# Allegro board SDHCalFEB20180110.brd (continued)
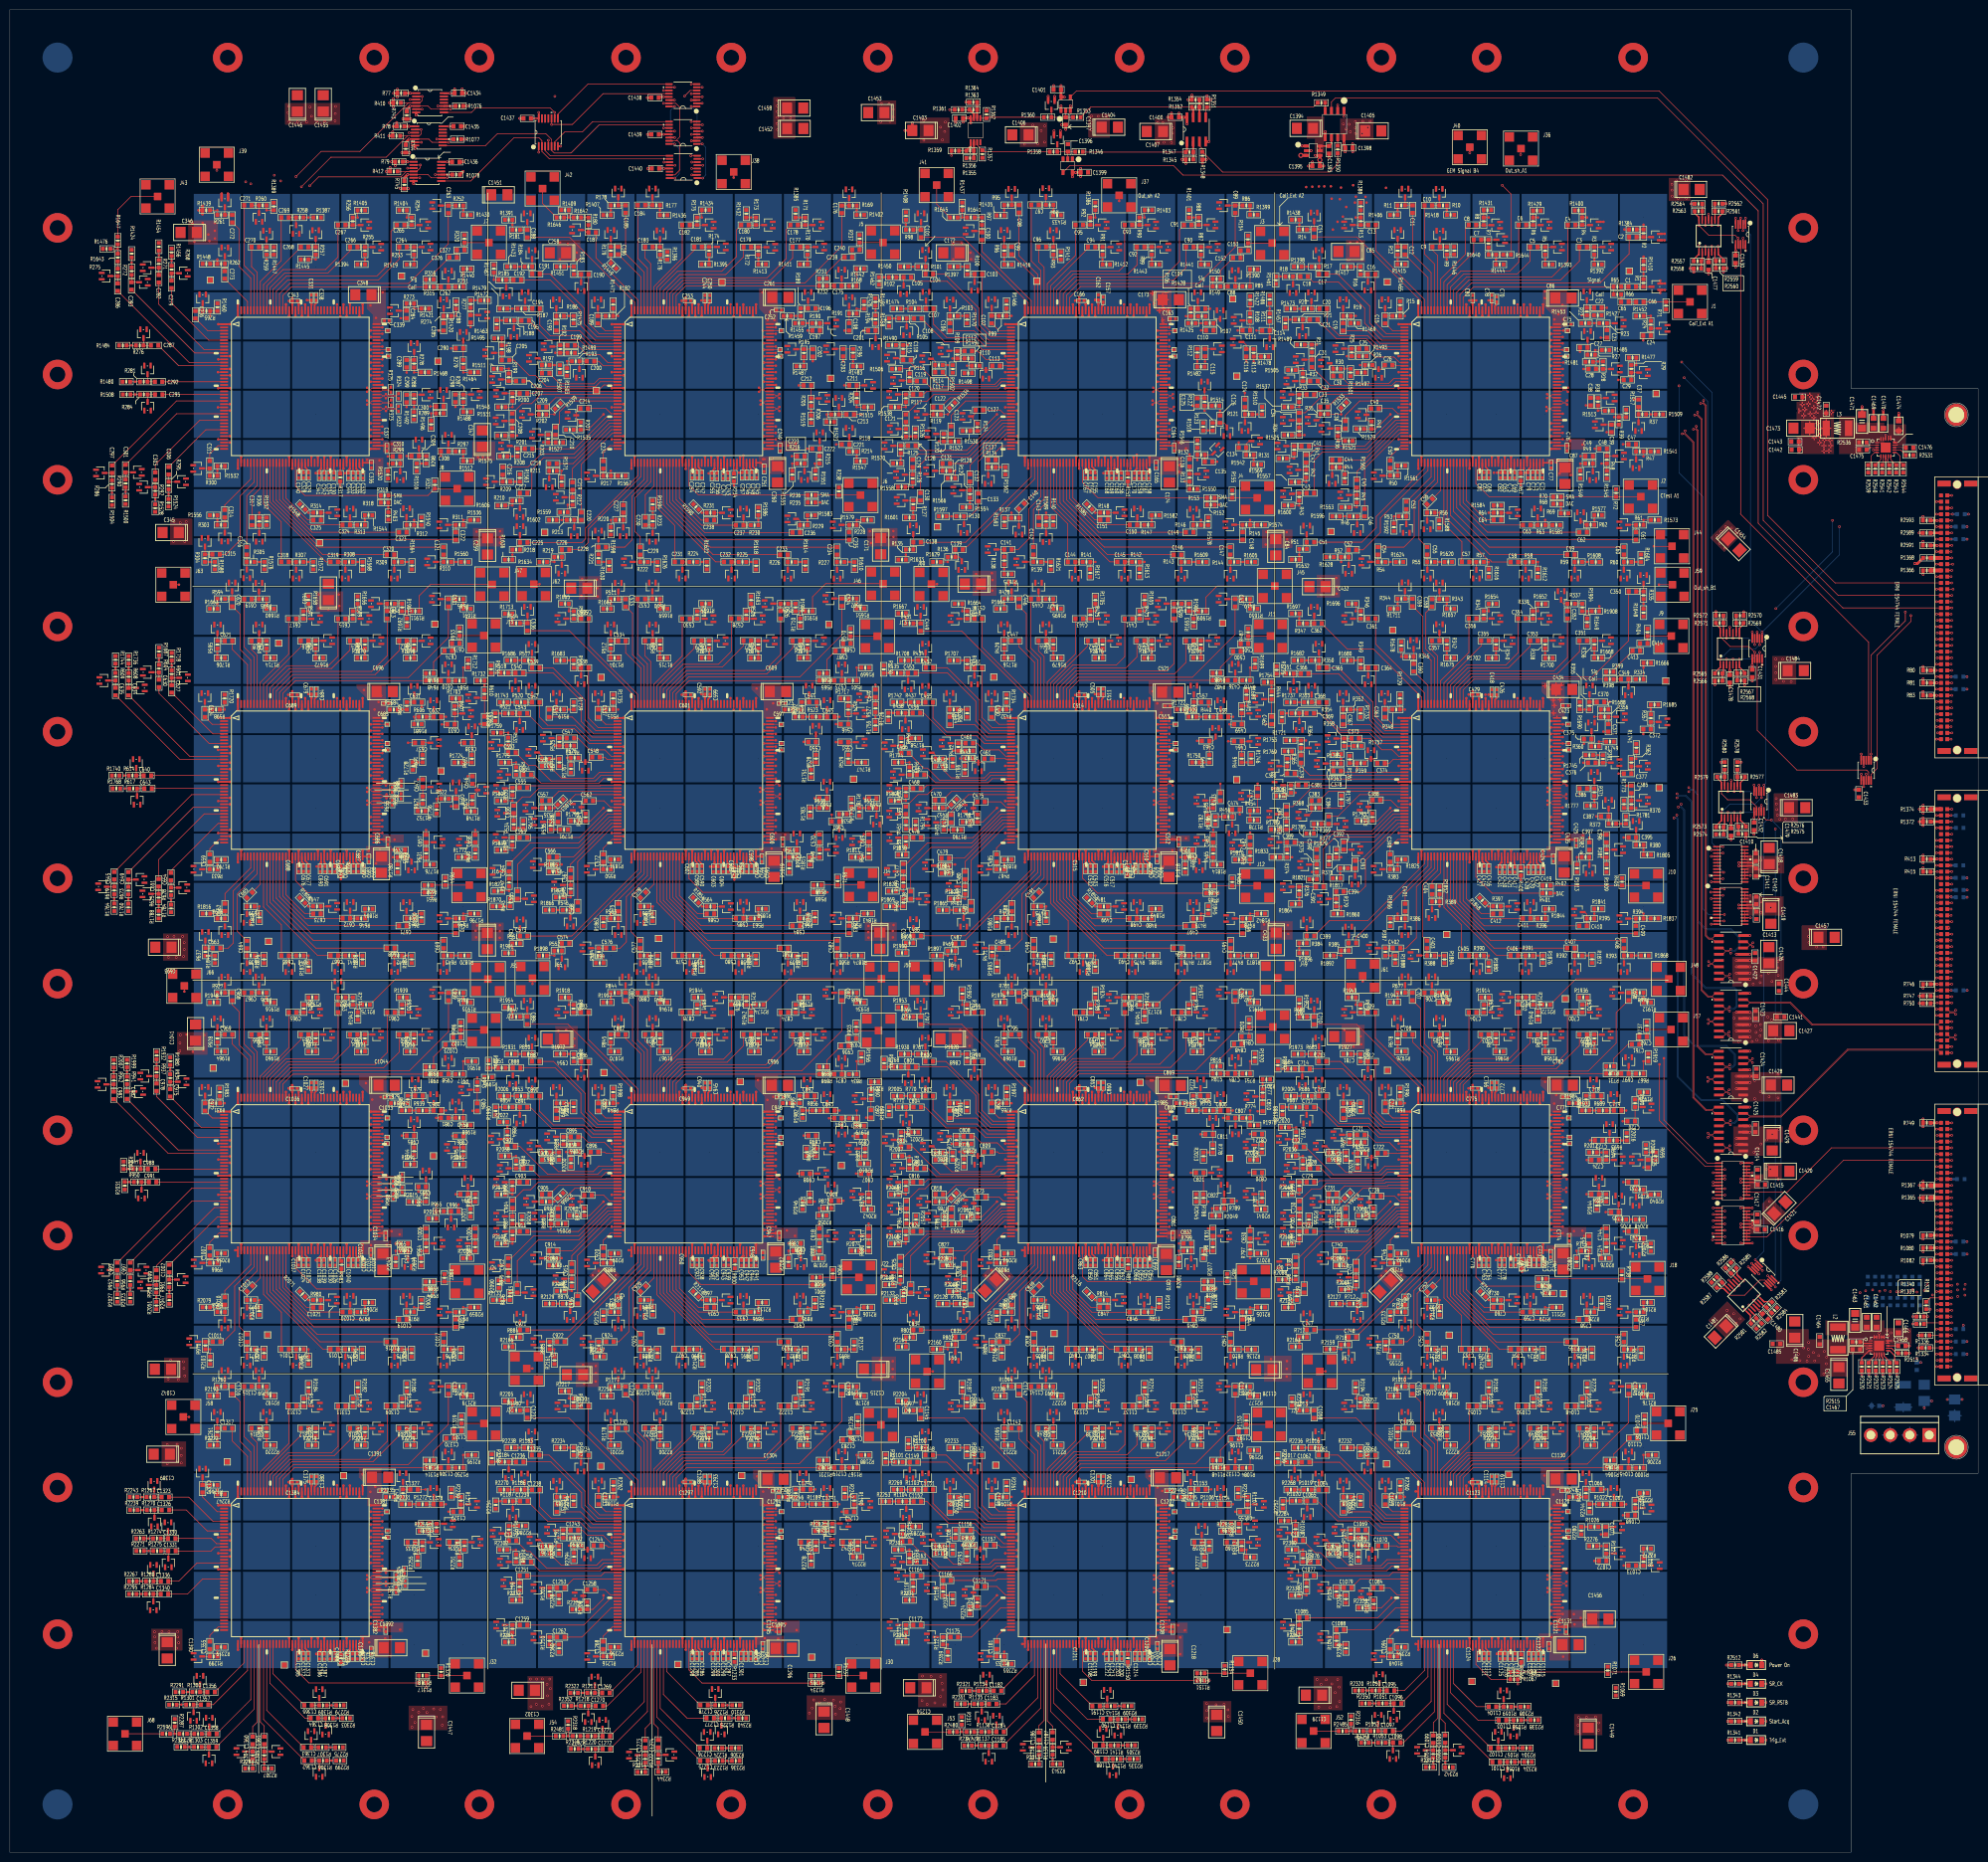
[diagram p0: board, top side]
## Nets (continued)
ANALOGIN5_ASIC_C3: C875.2 U715.150(IN<4>)
ANALOGIN5_ASIC_C4: C962.2 U780.150(IN<4>)
ANALOGIN5_ASIC_D1: C1049.2 U845.150(IN<4>)
ANALOGIN5_ASIC_D2: C1136.2 U910.150(IN<4>)
ANALOGIN5_ASIC_D3: C1223.2 U975.150(IN<4>)
ANALOGIN5_ASIC_D4: C1310.2 U1040.150(IN<4>)
ANALOGIN6_ASIC_A1: C6.2 U65.151(IN<5>)
ANALOGIN6_ASIC_A2: C93.2 U130.151(IN<5>)
ANALOGIN6_ASIC_A3: C180.2 U195.151(IN<5>)
ANALOGIN6_ASIC_A4: C267.2 U260.151(IN<5>)
ANALOGIN6_ASIC_B1: C354.2 U325.151(IN<5>)
ANALOGIN6_ASIC_B5: C441.2 U390.151(IN<5>)
ANALOGIN6_ASIC_B6: C528.2 U455.151(IN<5>)
ANALOGIN6_ASIC_B7: C615.2 U520.151(IN<5>)
ANALOGIN6_ASIC_C1: C702.2 U585.151(IN<5>)
ANALOGIN6_ASIC_C2: C789.2 U650.151(IN<5>)
ANALOGIN6_ASIC_C3: C876.2 U715.151(IN<5>)
ANALOGIN6_ASIC_C4: C963.2 U780.151(IN<5>)
ANALOGIN6_ASIC_D1: C1050.2 U845.151(IN<5>)
ANALOGIN6_ASIC_D2: C1137.2 U910.151(IN<5>)
ANALOGIN6_ASIC_D3: C1224.2 U975.151(IN<5>)
ANALOGIN6_ASIC_D4: C1311.2 U1040.151(IN<5>)
ANALOGIN7_ASIC_A1: C7.2 U65.152(IN<6>)
ANALOGIN7_ASIC_A2: C94.2 U130.152(IN<6>)
ANALOGIN7_ASIC_A3: C181.2 U195.152(IN<6>)
ANALOGIN7_ASIC_A4: C268.2 U260.152(IN<6>)
ANALOGIN7_ASIC_B1: C355.2 U325.152(IN<6>)
ANALOGIN7_ASIC_B5: C442.2 U390.152(IN<6>)
ANALOGIN7_ASIC_B6: C529.2 U455.152(IN<6>)
ANALOGIN7_ASIC_B7: C616.2 U520.152(IN<6>)
ANALOGIN7_ASIC_C1: C703.2 U585.152(IN<6>)
ANALOGIN7_ASIC_C2: C790.2 U650.152(IN<6>)
ANALOGIN7_ASIC_C3: C877.2 U715.152(IN<6>)
ANALOGIN7_ASIC_C4: C964.2 U780.152(IN<6>)
ANALOGIN7_ASIC_D1: C1051.2 U845.152(IN<6>)
ANALOGIN7_ASIC_D2: C1138.2 U910.152(IN<6>)
ANALOGIN7_ASIC_D3: C1225.2 U975.152(IN<6>)
ANALOGIN7_ASIC_D4: C1312.2 U1040.152(IN<6>)
ANALOGIN8_ASIC_A1: C8.2 U65.153(IN<7>)
ANALOGIN8_ASIC_A2: C95.2 U130.153(IN<7>)
ANALOGIN8_ASIC_A3: C182.2 U195.153(IN<7>)
ANALOGIN8_ASIC_A4: C269.2 U260.153(IN<7>)
ANALOGIN8_ASIC_B1: C356.2 U325.153(IN<7>)
ANALOGIN8_ASIC_B5: C443.2 U390.153(IN<7>)
ANALOGIN8_ASIC_B6: C530.2 U455.153(IN<7>)
ANALOGIN8_ASIC_B7: C617.2 U520.153(IN<7>)
ANALOGIN8_ASIC_C1: C704.2 U585.153(IN<7>)
ANALOGIN8_ASIC_C2: C791.2 U650.153(IN<7>)
ANALOGIN8_ASIC_C3: C878.2 U715.153(IN<7>)
ANALOGIN8_ASIC_C4: C965.2 U780.153(IN<7>)
ANALOGIN8_ASIC_D1: C1052.2 U845.153(IN<7>)
ANALOGIN8_ASIC_D2: C1139.2 U910.153(IN<7>)
ANALOGIN8_ASIC_D3: C1226.2 U975.153(IN<7>)
ANALOGIN8_ASIC_D4: C1313.2 U1040.153(IN<7>)
ANALOGIN9_ASIC_A1: C9.2 U65.154(IN<8>)
ANALOGIN9_ASIC_A2: C96.2 U130.154(IN<8>)
ANALOGIN9_ASIC_A3: C183.2 U195.154(IN<8>)
ANALOGIN9_ASIC_A4: C270.2 U260.154(IN<8>)
ANALOGIN9_ASIC_B1: C357.2 U325.154(IN<8>)
ANALOGIN9_ASIC_B5: C444.2 U390.154(IN<8>)
ANALOGIN9_ASIC_B6: C531.2 U455.154(IN<8>)
ANALOGIN9_ASIC_B7: C618.2 U520.154(IN<8>)
ANALOGIN9_ASIC_C1: C705.2 U585.154(IN<8>)
ANALOGIN9_ASIC_C2: C792.2 U650.154(IN<8>)
ANALOGIN9_ASIC_C3: C879.2 U715.154(IN<8>)
ANALOGIN9_ASIC_C4: C966.2 U780.154(IN<8>)
ANALOGIN9_ASIC_D1: C1053.2 U845.154(IN<8>)
ANALOGIN9_ASIC_D2: C1140.2 U910.154(IN<8>)
ANALOGIN9_ASIC_D3: C1227.2 U975.154(IN<8>)
ANALOGIN9_ASIC_D4: C1314.2 U1040.154(IN<8>)
ANALOGIN10_ASIC_A1: C10.2 U65.155(IN<9>)
ANALOGIN10_ASIC_A2: C97.2 U130.155(IN<9>)
ANALOGIN10_ASIC_A3: C184.2 U195.155(IN<9>)
ANALOGIN10_ASIC_A4: C271.2 U260.155(IN<9>)
ANALOGIN10_ASIC_B1: C358.2 U325.155(IN<9>)
ANALOGIN10_ASIC_B5: C445.2 U390.155(IN<9>)
ANALOGIN10_ASIC_B6: C532.2 U455.155(IN<9>)
ANALOGIN10_ASIC_B7: C619.2 U520.155(IN<9>)
ANALOGIN10_ASIC_C1: C706.2 U585.155(IN<9>)
ANALOGIN10_ASIC_C2: C793.2 U650.155(IN<9>)
ANALOGIN10_ASIC_C3: C880.2 U715.155(IN<9>)
ANALOGIN10_ASIC_C4: C967.2 U780.155(IN<9>)
ANALOGIN10_ASIC_D1: C1054.2 U845.155(IN<9>)
ANALOGIN10_ASIC_D2: C1141.2 U910.155(IN<9>)
ANALOGIN10_ASIC_D3: C1228.2 U975.155(IN<9>)
ANALOGIN10_ASIC_D4: C1315.2 U1040.155(IN<9>)
ANALOGIN11_ASIC_A1: C11.2 U65.156(IN<10>)
ANALOGIN11_ASIC_A2: C98.2 U130.156(IN<10>)
ANALOGIN11_ASIC_A3: C185.2 U195.156(IN<10>)
ANALOGIN11_ASIC_A4: C272.2 U260.156(IN<10>)
ANALOGIN11_ASIC_B1: C359.2 U325.156(IN<10>)
ANALOGIN11_ASIC_B5: C446.2 U390.156(IN<10>)
ANALOGIN11_ASIC_B6: C533.2 U455.156(IN<10>)
ANALOGIN11_ASIC_B7: C620.2 U520.156(IN<10>)
ANALOGIN11_ASIC_C1: C707.2 U585.156(IN<10>)
ANALOGIN11_ASIC_C2: C794.2 U650.156(IN<10>)
ANALOGIN11_ASIC_C3: C881.2 U715.156(IN<10>)
ANALOGIN11_ASIC_C4: C968.2 U780.156(IN<10>)
ANALOGIN11_ASIC_D1: C1055.2 U845.156(IN<10>)
ANALOGIN11_ASIC_D2: C1142.2 U910.156(IN<10>)
ANALOGIN11_ASIC_D3: C1229.2 U975.156(IN<10>)
ANALOGIN11_ASIC_D4: C1316.2 U1040.156(IN<10>)
ANALOGIN12_ASIC_A1: C12.2 U65.157(IN<11>)
ANALOGIN12_ASIC_A2: C99.2 U130.157(IN<11>)
ANALOGIN12_ASIC_A3: C186.2 U195.157(IN<11>)
ANALOGIN12_ASIC_A4: C273.2 U260.157(IN<11>)
ANALOGIN12_ASIC_B1: C360.2 U325.157(IN<11>)
ANALOGIN12_ASIC_B5: C447.2 U390.157(IN<11>)
ANALOGIN12_ASIC_B6: C534.2 U455.157(IN<11>)
ANALOGIN12_ASIC_B7: C621.2 U520.157(IN<11>)
ANALOGIN12_ASIC_C1: C708.2 U585.157(IN<11>)
ANALOGIN12_ASIC_C2: C795.2 U650.157(IN<11>)
ANALOGIN12_ASIC_C3: C882.2 U715.157(IN<11>)
ANALOGIN12_ASIC_C4: C969.2 U780.157(IN<11>)
ANALOGIN12_ASIC_D1: C1056.2 U845.157(IN<11>)
ANALOGIN12_ASIC_D2: C1143.2 U910.157(IN<11>)
ANALOGIN12_ASIC_D3: C1230.2 U975.157(IN<11>)
ANALOGIN12_ASIC_D4: C1317.2 U1040.157(IN<11>)
ANALOGIN13_ASIC_A1: C13.2 U65.158(IN<12>)
ANALOGIN13_ASIC_A2: C100.2 U130.158(IN<12>)
ANALOGIN13_ASIC_A3: C187.2 U195.158(IN<12>)
ANALOGIN13_ASIC_B1: C361.2 U325.158(IN<12>)
ANALOGIN13_ASIC_B5: C448.2 U390.158(IN<12>)
ANALOGIN13_ASIC_B6: C535.2 U455.158(IN<12>)
ANALOGIN13_ASIC_C1: C709.2 U585.158(IN<12>)
ANALOGIN13_ASIC_C2: C796.2 U650.158(IN<12>)
ANALOGIN13_ASIC_C3: C883.2 U715.158(IN<12>)
ANALOGIN13_ASIC_D1: C1057.2 U845.158(IN<12>)
ANALOGIN13_ASIC_D2: C1144.2 U910.158(IN<12>)
ANALOGIN13_ASIC_D3: C1231.2 U975.158(IN<12>)
ANALOGIN14_ASIC_A1: C14.2 U65.159(IN<13>)
ANALOGIN14_ASIC_A2: C101.2 U130.159(IN<13>)
ANALOGIN14_ASIC_A3: C188.2 U195.159(IN<13>)
ANALOGIN14_ASIC_B1: C362.2 U325.159(IN<13>)
ANALOGIN14_ASIC_B5: C449.2 U390.159(IN<13>)
ANALOGIN14_ASIC_B6: C536.2 U455.159(IN<13>)
ANALOGIN14_ASIC_C1: C710.2 U585.159(IN<13>)
ANALOGIN14_ASIC_C2: C797.2 U650.159(IN<13>)
ANALOGIN14_ASIC_C3: C884.2 U715.159(IN<13>)
ANALOGIN14_ASIC_D1: C1058.2 U845.159(IN<13>)
ANALOGIN14_ASIC_D2: C1145.2 U910.159(IN<13>)
ANALOGIN14_ASIC_D3: C1232.2 U975.159(IN<13>)
ANALOGIN15_ASIC_A1: C15.2 U65.3(IN<14>)
ANALOGIN15_ASIC_A2: C102.2 U130.3(IN<14>)
ANALOGIN15_ASIC_A3: C189.2 U195.3(IN<14>)
ANALOGIN15_ASIC_A4: C276.2 U260.3(IN<14>)
ANALOGIN15_ASIC_B1: C363.2 U325.3(IN<14>)
ANALOGIN15_ASIC_B5: C450.2 U390.3(IN<14>)
ANALOGIN15_ASIC_B6: C537.2 U455.3(IN<14>)
ANALOGIN15_ASIC_B7: C624.2 U520.3(IN<14>)
ANALOGIN15_ASIC_C1: C711.2 U585.3(IN<14>)
ANALOGIN15_ASIC_C2: C798.2 U650.3(IN<14>)
ANALOGIN15_ASIC_C3: C885.2 U715.3(IN<14>)
ANALOGIN15_ASIC_C4: C972.2 U780.3(IN<14>)
ANALOGIN15_ASIC_D1: C1059.2 U845.3(IN<14>)
ANALOGIN15_ASIC_D2: C1146.2 U910.3(IN<14>)
ANALOGIN15_ASIC_D3: C1233.2 U975.3(IN<14>)
ANALOGIN15_ASIC_D4: C1320.2 U1040.3(IN<14>)
ANALOGIN16_ASIC_A1: C16.2 U65.4(IN<15>)
ANALOGIN16_ASIC_A2: C103.2 U130.4(IN<15>)
ANALOGIN16_ASIC_A3: C190.2 U195.4(IN<15>)
ANALOGIN16_ASIC_B1: C364.2 U325.4(IN<15>)
ANALOGIN16_ASIC_B5: C451.2 U390.4(IN<15>)
ANALOGIN16_ASIC_B6: C538.2 U455.4(IN<15>)
ANALOGIN16_ASIC_C1: C712.2 U585.4(IN<15>)
ANALOGIN16_ASIC_C2: C799.2 U650.4(IN<15>)
ANALOGIN16_ASIC_C3: C886.2 U715.4(IN<15>)
ANALOGIN16_ASIC_D1: C1060.2 U845.4(IN<15>)
ANALOGIN16_ASIC_D2: C1147.2 U910.4(IN<15>)
ANALOGIN16_ASIC_D3: C1234.2 U975.4(IN<15>)
ANALOGIN17_ASIC_A1: C17.2 U65.5(IN<16>)
ANALOGIN17_ASIC_A2: C104.2 U130.5(IN<16>)
ANALOGIN17_ASIC_A3: C191.2 U195.5(IN<16>)
ANALOGIN17_ASIC_B1: C365.2 U325.5(IN<16>)
ANALOGIN17_ASIC_B5: C452.2 U390.5(IN<16>)
ANALOGIN17_ASIC_B6: C539.2 U455.5(IN<16>)
ANALOGIN17_ASIC_C1: C713.2 U585.5(IN<16>)
ANALOGIN17_ASIC_C2: C800.2 U650.5(IN<16>)
ANALOGIN17_ASIC_C3: C887.2 U715.5(IN<16>)
ANALOGIN17_ASIC_D1: C1061.2 U845.5(IN<16>)
ANALOGIN17_ASIC_D2: C1148.2 U910.5(IN<16>)
ANALOGIN17_ASIC_D3: C1235.2 U975.5(IN<16>)
ANALOGIN18_ASIC_A1: C18.2 U65.6(IN<17>)
ANALOGIN18_ASIC_A2: C105.2 U130.6(IN<17>)
ANALOGIN18_ASIC_A3: C192.2 U195.6(IN<17>)
ANALOGIN18_ASIC_A4: C279.2 U260.6(IN<17>)
ANALOGIN18_ASIC_B1: C366.2 U325.6(IN<17>)
ANALOGIN18_ASIC_B5: C453.2 U390.6(IN<17>)
ANALOGIN18_ASIC_B6: C540.2 U455.6(IN<17>)
ANALOGIN18_ASIC_B7: C627.2 U520.6(IN<17>)
ANALOGIN18_ASIC_C1: C714.2 U585.6(IN<17>)
ANALOGIN18_ASIC_C2: C801.2 U650.6(IN<17>)
ANALOGIN18_ASIC_C3: C888.2 U715.6(IN<17>)
ANALOGIN18_ASIC_C4: C975.2 U780.6(IN<17>)
ANALOGIN18_ASIC_D1: C1062.2 U845.6(IN<17>)
ANALOGIN18_ASIC_D2: C1149.2 U910.6(IN<17>)
ANALOGIN18_ASIC_D3: C1236.2 U975.6(IN<17>)
ANALOGIN18_ASIC_D4: C1323.2 U1040.6(IN<17>)
ANALOGIN19_ASIC_A1: C19.2 U65.7(IN<18>)
ANALOGIN19_ASIC_A2: C106.2 U130.7(IN<18>)
ANALOGIN19_ASIC_A3: C193.2 U195.7(IN<18>)
ANALOGIN19_ASIC_B1: C367.2 U325.7(IN<18>)
ANALOGIN19_ASIC_B5: C454.2 U390.7(IN<18>)
ANALOGIN19_ASIC_B6: C541.2 U455.7(IN<18>)
ANALOGIN19_ASIC_C1: C715.2 U585.7(IN<18>)
ANALOGIN19_ASIC_C2: C802.2 U650.7(IN<18>)
ANALOGIN19_ASIC_C3: C889.2 U715.7(IN<18>)
ANALOGIN19_ASIC_D1: C1063.2 U845.7(IN<18>)
ANALOGIN19_ASIC_D2: C1150.2 U910.7(IN<18>)
ANALOGIN19_ASIC_D3: C1237.2 U975.7(IN<18>)
ANALOGIN20_ASIC_A1: C20.2 U65.8(IN<19>)
ANALOGIN20_ASIC_A2: C107.2 U130.8(IN<19>)
ANALOGIN20_ASIC_A3: C194.2 U195.8(IN<19>)
ANALOGIN20_ASIC_B1: C368.2 U325.8(IN<19>)
ANALOGIN20_ASIC_B5: C455.2 U390.8(IN<19>)
ANALOGIN20_ASIC_B6: C542.2 U455.8(IN<19>)
ANALOGIN20_ASIC_C1: C716.2 U585.8(IN<19>)
ANALOGIN20_ASIC_C2: C803.2 U650.8(IN<19>)
ANALOGIN20_ASIC_C3: C890.2 U715.8(IN<19>)
ANALOGIN20_ASIC_D1: C1064.2 U845.8(IN<19>)
ANALOGIN20_ASIC_D2: C1151.2 U910.8(IN<19>)
ANALOGIN20_ASIC_D3: C1238.2 U975.8(IN<19>)
ANALOGIN21_ASIC_A1: C21.2 U65.9(IN<20>)
ANALOGIN21_ASIC_A2: C108.2 U130.9(IN<20>)
ANALOGIN21_ASIC_A3: C195.2 U195.9(IN<20>)
ANALOGIN21_ASIC_A4: C282.2 U260.9(IN<20>)
ANALOGIN21_ASIC_B1: C369.2 U325.9(IN<20>)
ANALOGIN21_ASIC_B5: C456.2 U390.9(IN<20>)
ANALOGIN21_ASIC_B6: C543.2 U455.9(IN<20>)
ANALOGIN21_ASIC_B7: C630.2 U520.9(IN<20>)
ANALOGIN21_ASIC_C1: C717.2 U585.9(IN<20>)
ANALOGIN21_ASIC_C2: C804.2 U650.9(IN<20>)
ANALOGIN21_ASIC_C3: C891.2 U715.9(IN<20>)
ANALOGIN21_ASIC_C4: C978.2 U780.9(IN<20>)
ANALOGIN21_ASIC_D1: C1065.2 U845.9(IN<20>)
ANALOGIN21_ASIC_D2: C1152.2 U910.9(IN<20>)
ANALOGIN21_ASIC_D3: C1239.2 U975.9(IN<20>)
ANALOGIN21_ASIC_D4: C1326.2 U1040.9(IN<20>)
ANALOGIN22_ASIC_A1: C22.2 U65.10(IN<21>)
ANALOGIN22_ASIC_A2: C109.2 U130.10(IN<21>)
ANALOGIN22_ASIC_A3: C196.2 U195.10(IN<21>)
ANALOGIN22_ASIC_A4: C283.2 U260.10(IN<21>)
ANALOGIN22_ASIC_B1: C370.2 U325.10(IN<21>)
ANALOGIN22_ASIC_B5: C457.2 U390.10(IN<21>)
ANALOGIN22_ASIC_B6: C544.2 U455.10(IN<21>)
ANALOGIN22_ASIC_B7: C631.2 U520.10(IN<21>)
ANALOGIN22_ASIC_C1: C718.2 U585.10(IN<21>)
ANALOGIN22_ASIC_C2: C805.2 U650.10(IN<21>)
ANALOGIN22_ASIC_C3: C892.2 U715.10(IN<21>)
ANALOGIN22_ASIC_C4: C979.2 U780.10(IN<21>)
ANALOGIN22_ASIC_D1: C1066.2 U845.10(IN<21>)
ANALOGIN22_ASIC_D2: C1153.2 U910.10(IN<21>)
ANALOGIN22_ASIC_D3: C1240.2 U975.10(IN<21>)
ANALOGIN22_ASIC_D4: C1327.2 U1040.10(IN<21>)
ANALOGIN23_ASIC_A1: C23.2 U65.11(IN<22>)
ANALOGIN23_ASIC_A2: C110.2 U130.11(IN<22>)
ANALOGIN23_ASIC_A3: C197.2 U195.11(IN<22>)
ANALOGIN23_ASIC_A4: C284.2 U260.11(IN<22>)
ANALOGIN23_ASIC_B1: C371.2 U325.11(IN<22>)
ANALOGIN23_ASIC_B5: C458.2 U390.11(IN<22>)
ANALOGIN23_ASIC_B6: C545.2 U455.11(IN<22>)
ANALOGIN23_ASIC_B7: C632.2 U520.11(IN<22>)
ANALOGIN23_ASIC_C1: C719.2 U585.11(IN<22>)
ANALOGIN23_ASIC_C2: C806.2 U650.11(IN<22>)
ANALOGIN23_ASIC_C3: C893.2 U715.11(IN<22>)
ANALOGIN23_ASIC_C4: C980.2 U780.11(IN<22>)
ANALOGIN23_ASIC_D1: C1067.2 U845.11(IN<22>)
ANALOGIN23_ASIC_D2: C1154.2 U910.11(IN<22>)
ANALOGIN23_ASIC_D3: C1241.2 U975.11(IN<22>)
ANALOGIN23_ASIC_D4: C1328.2 U1040.11(IN<22>)
ANALOGIN24_ASIC_A1: C24.2 U65.12(IN<23>)
ANALOGIN24_ASIC_A2: C111.2 U130.12(IN<23>)
ANALOGIN24_ASIC_A3: C198.2 U195.12(IN<23>)
ANALOGIN24_ASIC_A4: C285.2 U260.12(IN<23>)
ANALOGIN24_ASIC_B1: C372.2 U325.12(IN<23>)
ANALOGIN24_ASIC_B5: C459.2 U390.12(IN<23>)
ANALOGIN24_ASIC_B6: C546.2 U455.12(IN<23>)
ANALOGIN24_ASIC_B7: C633.2 U520.12(IN<23>)
ANALOGIN24_ASIC_C1: C720.2 U585.12(IN<23>)
ANALOGIN24_ASIC_C2: C807.2 U650.12(IN<23>)
ANALOGIN24_ASIC_C3: C894.2 U715.12(IN<23>)
ANALOGIN24_ASIC_C4: C981.2 U780.12(IN<23>)
ANALOGIN24_ASIC_D1: C1068.2 U845.12(IN<23>)
ANALOGIN24_ASIC_D2: C1155.2 U910.12(IN<23>)
ANALOGIN24_ASIC_D3: C1242.2 U975.12(IN<23>)
ANALOGIN24_ASIC_D4: C1329.2 U1040.12(IN<23>)
ANALOGIN25_ASIC_A1: C25.2 U65.13(IN<24>)
ANALOGIN25_ASIC_A2: C112.2 U130.13(IN<24>)
ANALOGIN25_ASIC_A3: C199.2 U195.13(IN<24>)
ANALOGIN25_ASIC_A4: C286.2 U260.13(IN<24>)
ANALOGIN25_ASIC_B1: C373.2 U325.13(IN<24>)
ANALOGIN25_ASIC_B5: C460.2 U390.13(IN<24>)
ANALOGIN25_ASIC_B6: C547.2 U455.13(IN<24>)
ANALOGIN25_ASIC_B7: C634.2 U520.13(IN<24>)
ANALOGIN25_ASIC_C1: C721.2 U585.13(IN<24>)
ANALOGIN25_ASIC_C2: C808.2 U650.13(IN<24>)
ANALOGIN25_ASIC_C3: C895.2 U715.13(IN<24>)
ANALOGIN25_ASIC_C4: C982.2 U780.13(IN<24>)
ANALOGIN25_ASIC_D1: C1069.2 U845.13(IN<24>)
ANALOGIN25_ASIC_D2: C1156.2 U910.13(IN<24>)
ANALOGIN25_ASIC_D3: C1243.2 U975.13(IN<24>)
ANALOGIN25_ASIC_D4: C1330.2 U1040.13(IN<24>)
ANALOGIN26_ASIC_A1: C26.2 U65.14(IN<25>)
ANALOGIN26_ASIC_A2: C113.2 U130.14(IN<25>)
ANALOGIN26_ASIC_A3: C200.2 U195.14(IN<25>)
ANALOGIN26_ASIC_A4: C287.2 U260.14(IN<25>)
ANALOGIN26_ASIC_B1: C374.2 U325.14(IN<25>)
ANALOGIN26_ASIC_B5: C461.2 U390.14(IN<25>)
ANALOGIN26_ASIC_B6: C548.2 U455.14(IN<25>)
ANALOGIN26_ASIC_B7: C635.2 U520.14(IN<25>)
ANALOGIN26_ASIC_C1: C722.2 U585.14(IN<25>)
ANALOGIN26_ASIC_C2: C809.2 U650.14(IN<25>)
ANALOGIN26_ASIC_C3: C896.2 U715.14(IN<25>)
ANALOGIN26_ASIC_C4: C983.2 U780.14(IN<25>)
ANALOGIN26_ASIC_D1: C1070.2 U845.14(IN<25>)
ANALOGIN26_ASIC_D2: C1157.2 U910.14(IN<25>)
ANALOGIN26_ASIC_D3: C1244.2 U975.14(IN<25>)
ANALOGIN26_ASIC_D4: C1331.2 U1040.14(IN<25>)
ANALOGIN27_ASIC_A1: C27.2 U65.15(IN<26>)
ANALOGIN27_ASIC_A2: C114.2 U130.15(IN<26>)
ANALOGIN27_ASIC_A3: C201.2 U195.15(IN<26>)
ANALOGIN27_ASIC_A4: C288.2 U260.15(IN<26>)
ANALOGIN27_ASIC_B1: C375.2 U325.15(IN<26>)
ANALOGIN27_ASIC_B5: C462.2 U390.15(IN<26>)
ANALOGIN27_ASIC_B6: C549.2 U455.15(IN<26>)
ANALOGIN27_ASIC_B7: C636.2 U520.15(IN<26>)
ANALOGIN27_ASIC_C1: C723.2 U585.15(IN<26>)
ANALOGIN27_ASIC_C2: C810.2 U650.15(IN<26>)
ANALOGIN27_ASIC_C3: C897.2 U715.15(IN<26>)
ANALOGIN27_ASIC_C4: C984.2 U780.15(IN<26>)
ANALOGIN27_ASIC_D1: C1071.2 U845.15(IN<26>)
ANALOGIN27_ASIC_D2: C1158.2 U910.15(IN<26>)
ANALOGIN27_ASIC_D3: C1245.2 U975.15(IN<26>)
ANALOGIN27_ASIC_D4: C1332.2 U1040.15(IN<26>)
ANALOGIN28_ASIC_A1: C28.2 U65.16(IN<27>)
ANALOGIN28_ASIC_A2: C115.2 U130.16(IN<27>)
ANALOGIN28_ASIC_A3: C202.2 U195.16(IN<27>)
ANALOGIN28_ASIC_A4: C289.2 U260.16(IN<27>)
ANALOGIN28_ASIC_B1: C376.2 U325.16(IN<27>)
ANALOGIN28_ASIC_B5: C463.2 U390.16(IN<27>)
ANALOGIN28_ASIC_B6: C550.2 U455.16(IN<27>)
ANALOGIN28_ASIC_B7: C637.2 U520.16(IN<27>)
ANALOGIN28_ASIC_C1: C724.2 U585.16(IN<27>)
ANALOGIN28_ASIC_C2: C811.2 U650.16(IN<27>)
ANALOGIN28_ASIC_C3: C898.2 U715.16(IN<27>)
ANALOGIN28_ASIC_C4: C985.2 U780.16(IN<27>)
ANALOGIN28_ASIC_D1: C1072.2 U845.16(IN<27>)
ANALOGIN28_ASIC_D2: C1159.2 U910.16(IN<27>)
ANALOGIN28_ASIC_D3: C1246.2 U975.16(IN<27>)
ANALOGIN28_ASIC_D4: C1333.2 U1040.16(IN<27>)
ANALOGIN29_ASIC_A1: C29.2 U65.17(IN<28>)
ANALOGIN29_ASIC_A2: C116.2 U130.17(IN<28>)
ANALOGIN29_ASIC_A3: C203.2 U195.17(IN<28>)
ANALOGIN29_ASIC_A4: C290.2 U260.17(IN<28>)
ANALOGIN29_ASIC_B1: C377.2 U325.17(IN<28>)
ANALOGIN29_ASIC_B5: C464.2 U390.17(IN<28>)
ANALOGIN29_ASIC_B6: C551.2 U455.17(IN<28>)
ANALOGIN29_ASIC_B7: C638.2 U520.17(IN<28>)
ANALOGIN29_ASIC_C1: C725.2 U585.17(IN<28>)
ANALOGIN29_ASIC_C2: C812.2 U650.17(IN<28>)
ANALOGIN29_ASIC_C3: C899.2 U715.17(IN<28>)
ANALOGIN29_ASIC_C4: C986.2 U780.17(IN<28>)
ANALOGIN29_ASIC_D1: C1073.2 U845.17(IN<28>)
ANALOGIN29_ASIC_D2: C1160.2 U910.17(IN<28>)
ANALOGIN29_ASIC_D3: C1247.2 U975.17(IN<28>)
ANALOGIN29_ASIC_D4: C1334.2 U1040.17(IN<28>)
ANALOGIN30_ASIC_A1: C30.2 U65.18(IN<29>)
ANALOGIN30_ASIC_A2: C117.2 U130.18(IN<29>)
ANALOGIN30_ASIC_A3: C204.2 U195.18(IN<29>)
ANALOGIN30_ASIC_B1: C378.2 U325.18(IN<29>)
ANALOGIN30_ASIC_B5: C465.2 U390.18(IN<29>)
ANALOGIN30_ASIC_B6: C552.2 U455.18(IN<29>)
ANALOGIN30_ASIC_C1: C726.2 U585.18(IN<29>)
ANALOGIN30_ASIC_C2: C813.2 U650.18(IN<29>)
ANALOGIN30_ASIC_C3: C900.2 U715.18(IN<29>)
ANALOGIN30_ASIC_D1: C1074.2 U845.18(IN<29>)
ANALOGIN30_ASIC_D2: C1161.2 U910.18(IN<29>)
ANALOGIN30_ASIC_D3: C1248.2 U975.18(IN<29>)
ANALOGIN31_ASIC_A1: C31.2 U65.19(IN<30>)
ANALOGIN31_ASIC_A2: C118.2 U130.19(IN<30>)
ANALOGIN31_ASIC_A3: C205.2 U195.19(IN<30>)
ANALOGIN31_ASIC_A4: C292.2 U260.19(IN<30>)
ANALOGIN31_ASIC_B1: C379.2 U325.19(IN<30>)
ANALOGIN31_ASIC_B5: C466.2 U390.19(IN<30>)
ANALOGIN31_ASIC_B6: C553.2 U455.19(IN<30>)
ANALOGIN31_ASIC_B7: C640.2 U520.19(IN<30>)
ANALOGIN31_ASIC_C1: C727.2 U585.19(IN<30>)
ANALOGIN31_ASIC_C2: C814.2 U650.19(IN<30>)
ANALOGIN31_ASIC_C3: C901.2 U715.19(IN<30>)
ANALOGIN31_ASIC_C4: C988.2 U780.19(IN<30>)
ANALOGIN31_ASIC_D1: C1075.2 U845.19(IN<30>)
ANALOGIN31_ASIC_D2: C1162.2 U910.19(IN<30>)
ANALOGIN31_ASIC_D3: C1249.2 U975.19(IN<30>)
ANALOGIN31_ASIC_D4: C1336.2 U1040.19(IN<30>)
ANALOGIN32_ASIC_A1: C32.2 U65.20(IN<31>)
ANALOGIN32_ASIC_A2: C119.2 U130.20(IN<31>)
ANALOGIN32_ASIC_A3: C206.2 U195.20(IN<31>)
ANALOGIN32_ASIC_B1: C380.2 U325.20(IN<31>)
ANALOGIN32_ASIC_B5: C467.2 U390.20(IN<31>)
ANALOGIN32_ASIC_B6: C554.2 U455.20(IN<31>)
ANALOGIN32_ASIC_C1: C728.2 U585.20(IN<31>)
ANALOGIN32_ASIC_C2: C815.2 U650.20(IN<31>)
ANALOGIN32_ASIC_C3: C902.2 U715.20(IN<31>)
ANALOGIN32_ASIC_D1: C1076.2 U845.20(IN<31>)
ANALOGIN32_ASIC_D2: C1163.2 U910.20(IN<31>)
ANALOGIN32_ASIC_D3: C1250.2 U975.20(IN<31>)
ANALOGIN33_ASIC_A1: C33.2 U65.22(IN<32>)
ANALOGIN33_ASIC_A2: C120.2 U130.22(IN<32>)
ANALOGIN33_ASIC_A3: C207.2 U195.22(IN<32>)
ANALOGIN33_ASIC_B1: C381.2 U325.22(IN<32>)
ANALOGIN33_ASIC_B5: C468.2 U390.22(IN<32>)
ANALOGIN33_ASIC_B6: C555.2 U455.22(IN<32>)
ANALOGIN33_ASIC_C1: C729.2 U585.22(IN<32>)
ANALOGIN33_ASIC_C2: C816.2 U650.22(IN<32>)
ANALOGIN33_ASIC_C3: C903.2 U715.22(IN<32>)
ANALOGIN33_ASIC_D1: C1077.2 U845.22(IN<32>)
ANALOGIN33_ASIC_D2: C1164.2 U910.22(IN<32>)
ANALOGIN33_ASIC_D3: C1251.2 U975.22(IN<32>)
ANALOGIN34_ASIC_A1: C34.2 U65.23(IN<33>)
ANALOGIN34_ASIC_A2: C121.2 U130.23(IN<33>)
ANALOGIN34_ASIC_A3: C208.2 U195.23(IN<33>)
ANALOGIN34_ASIC_A4: C295.2 U260.23(IN<33>)
ANALOGIN34_ASIC_B1: C382.2 U325.23(IN<33>)
ANALOGIN34_ASIC_B5: C469.2 U390.23(IN<33>)
ANALOGIN34_ASIC_B6: C556.2 U455.23(IN<33>)
ANALOGIN34_ASIC_B7: C643.2 U520.23(IN<33>)
ANALOGIN34_ASIC_C1: C730.2 U585.23(IN<33>)
ANALOGIN34_ASIC_C2: C817.2 U650.23(IN<33>)
ANALOGIN34_ASIC_C3: C904.2 U715.23(IN<33>)
ANALOGIN34_ASIC_C4: C991.2 U780.23(IN<33>)
ANALOGIN35_ASIC_A1: C35.2 U65.24(IN<34>)
ANALOGIN35_ASIC_A2: C122.2 U130.24(IN<34>)
ANALOGIN35_ASIC_A3: C209.2 U195.24(IN<34>)
ANALOGIN35_ASIC_B1: C383.2 U325.24(IN<34>)
ANALOGIN35_ASIC_B5: C470.2 U390.24(IN<34>)
ANALOGIN35_ASIC_B6: C557.2 U455.24(IN<34>)
ANALOGIN35_ASIC_C1: C731.2 U585.24(IN<34>)
ANALOGIN35_ASIC_C2: C818.2 U650.24(IN<34>)
ANALOGIN35_ASIC_C3: C905.2 U715.24(IN<34>)
ANALOGIN35_ASIC_D1: C1079.2 U845.24(IN<34>)
ANALOGIN35_ASIC_D2: C1166.2 U910.24(IN<34>)
ANALOGIN35_ASIC_D3: C1253.2 U975.24(IN<34>)
ANALOGIN35_ASIC_D4: C1340.2 U1040.24(IN<34>)
ANALOGIN36_ASIC_A1: C36.2 U65.25(IN<35>)
ANALOGIN36_ASIC_A2: C123.2 U130.25(IN<35>)
ANALOGIN36_ASIC_A3: C210.2 U195.25(IN<35>)
ANALOGIN36_ASIC_A4: C297.2 U260.25(IN<35>)
ANALOGIN36_ASIC_B1: C384.2 U325.25(IN<35>)
ANALOGIN36_ASIC_B5: C471.2 U390.25(IN<35>)
ANALOGIN36_ASIC_B6: C558.2 U455.25(IN<35>)
ANALOGIN36_ASIC_B7: C645.2 U520.25(IN<35>)
ANALOGIN36_ASIC_C1: C732.2 U585.25(IN<35>)
ANALOGIN36_ASIC_C2: C819.2 U650.25(IN<35>)
ANALOGIN36_ASIC_C3: C906.2 U715.25(IN<35>)
ANALOGIN36_ASIC_C4: C993.2 U780.25(IN<35>)
ANALOGIN37_ASIC_A1: C37.2 U65.26(IN<36>)
ANALOGIN37_ASIC_A2: C124.2 U130.26(IN<36>)
ANALOGIN37_ASIC_A3: C211.2 U195.26(IN<36>)
ANALOGIN37_ASIC_A4: C298.2 U260.26(IN<36>)
ANALOGIN37_ASIC_B1: C385.2 U325.26(IN<36>)
ANALOGIN37_ASIC_B5: C472.2 U390.26(IN<36>)
ANALOGIN37_ASIC_B6: C559.2 U455.26(IN<36>)
ANALOGIN37_ASIC_B7: C646.2 U520.26(IN<36>)
ANALOGIN37_ASIC_C1: C733.2 U585.26(IN<36>)
ANALOGIN37_ASIC_C2: C820.2 U650.26(IN<36>)
ANALOGIN37_ASIC_C3: C907.2 U715.26(IN<36>)
ANALOGIN37_ASIC_C4: C994.2 U780.26(IN<36>)
ANALOGIN38_ASIC_A1: C38.2 U65.27(IN<37>)
ANALOGIN38_ASIC_A2: C125.2 U130.27(IN<37>)
ANALOGIN38_ASIC_A3: C212.2 U195.27(IN<37>)
ANALOGIN38_ASIC_A4: C299.2 U260.27(IN<37>)
ANALOGIN38_ASIC_B1: C386.2 U325.27(IN<37>)
ANALOGIN38_ASIC_B5: C473.2 U390.27(IN<37>)
ANALOGIN38_ASIC_B6: C560.2 U455.27(IN<37>)
ANALOGIN38_ASIC_B7: C647.2 U520.27(IN<37>)
ANALOGIN38_ASIC_C1: C734.2 U585.27(IN<37>)
ANALOGIN38_ASIC_C2: C821.2 U650.27(IN<37>)
ANALOGIN38_ASIC_C3: C908.2 U715.27(IN<37>)
ANALOGIN38_ASIC_C4: C995.2 U780.27(IN<37>)
ANALOGIN39_ASIC_A1: C39.2 U65.28(IN<38>)
ANALOGIN39_ASIC_A2: C126.2 U130.28(IN<38>)
ANALOGIN39_ASIC_A3: C213.2 U195.28(IN<38>)
ANALOGIN39_ASIC_A4: C300.2 U260.28(IN<38>)
ANALOGIN39_ASIC_B1: C387.2 U325.28(IN<38>)
ANALOGIN39_ASIC_B5: C474.2 U390.28(IN<38>)
ANALOGIN39_ASIC_B6: C561.2 U455.28(IN<38>)
ANALOGIN39_ASIC_B7: C648.2 U520.28(IN<38>)
ANALOGIN39_ASIC_C1: C735.2 U585.28(IN<38>)
ANALOGIN39_ASIC_C2: C822.2 U650.28(IN<38>)
ANALOGIN39_ASIC_C3: C909.2 U715.28(IN<38>)
ANALOGIN39_ASIC_C4: C996.2 U780.28(IN<38>)
ANALOGIN40_ASIC_A1: C40.2 U65.29(IN<39>)
ANALOGIN40_ASIC_A2: C127.2 U130.29(IN<39>)
ANALOGIN40_ASIC_A3: C214.2 U195.29(IN<39>)
ANALOGIN40_ASIC_A4: C301.2 U260.29(IN<39>)
ANALOGIN40_ASIC_B1: C388.2 U325.29(IN<39>)
ANALOGIN40_ASIC_B5: C475.2 U390.29(IN<39>)
ANALOGIN40_ASIC_B6: C562.2 U455.29(IN<39>)
ANALOGIN40_ASIC_B7: C649.2 U520.29(IN<39>)
ANALOGIN40_ASIC_C1: C736.2 U585.29(IN<39>)
ANALOGIN40_ASIC_C2: C823.2 U650.29(IN<39>)
ANALOGIN40_ASIC_C3: C910.2 U715.29(IN<39>)
ANALOGIN40_ASIC_C4: C997.2 U780.29(IN<39>)
ANALOGIN40_ASIC_D1: C1084.2 U845.29(IN<39>)
ANALOGIN40_ASIC_D2: C1171.2 U910.29(IN<39>)
ANALOGIN40_ASIC_D3: C1258.2 U975.29(IN<39>)
ANALOGIN41_ASIC_A1: C41.2 U65.30(IN<40>)
ANALOGIN41_ASIC_A2: C128.2 U130.30(IN<40>)
ANALOGIN41_ASIC_A3: C215.2 U195.30(IN<40>)
ANALOGIN41_ASIC_B1: C389.2 U325.30(IN<40>)
ANALOGIN41_ASIC_B5: C476.2 U390.30(IN<40>)
ANALOGIN41_ASIC_B6: C563.2 U455.30(IN<40>)
ANALOGIN41_ASIC_C1: C737.2 U585.30(IN<40>)
ANALOGIN41_ASIC_C2: C824.2 U650.30(IN<40>)
ANALOGIN41_ASIC_C3: C911.2 U715.30(IN<40>)
ANALOGIN41_ASIC_D1: C1085.2 U845.30(IN<40>)
ANALOGIN41_ASIC_D2: C1172.2 U910.30(IN<40>)
ANALOGIN41_ASIC_D3: C1259.2 U975.30(IN<40>)
ANALOGIN42_ASIC_A1: C42.2 U65.31(IN<41>)
ANALOGIN42_ASIC_A2: C129.2 U130.31(IN<41>)
ANALOGIN42_ASIC_A3: C216.2 U195.31(IN<41>)
ANALOGIN42_ASIC_A4: C303.2 U260.31(IN<41>)
ANALOGIN42_ASIC_B1: C390.2 U325.31(IN<41>)
ANALOGIN42_ASIC_B5: C477.2 U390.31(IN<41>)
ANALOGIN42_ASIC_B6: C564.2 U455.31(IN<41>)
ANALOGIN42_ASIC_B7: C651.2 U520.31(IN<41>)
ANALOGIN42_ASIC_C1: C738.2 U585.31(IN<41>)
ANALOGIN42_ASIC_C2: C825.2 U650.31(IN<41>)
ANALOGIN42_ASIC_C3: C912.2 U715.31(IN<41>)
ANALOGIN42_ASIC_C4: C999.2 U780.31(IN<41>)
ANALOGIN43_ASIC_A1: C43.2 U65.32(IN<42>)
ANALOGIN43_ASIC_A2: C130.2 U130.32(IN<42>)
ANALOGIN43_ASIC_A3: C217.2 U195.32(IN<42>)
ANALOGIN43_ASIC_B1: C391.2 U325.32(IN<42>)
ANALOGIN43_ASIC_B5: C478.2 U390.32(IN<42>)
ANALOGIN43_ASIC_B6: C565.2 U455.32(IN<42>)
ANALOGIN43_ASIC_C1: C739.2 U585.32(IN<42>)
ANALOGIN43_ASIC_C2: C826.2 U650.32(IN<42>)
ANALOGIN43_ASIC_C3: C913.2 U715.32(IN<42>)
ANALOGIN44_ASIC_A1: C44.2 U65.33(IN<43>)
ANALOGIN44_ASIC_A2: C131.2 U130.33(IN<43>)
ANALOGIN44_ASIC_A3: C218.2 U195.33(IN<43>)
ANALOGIN44_ASIC_B1: C392.2 U325.33(IN<43>)
ANALOGIN44_ASIC_B5: C479.2 U390.33(IN<43>)
ANALOGIN44_ASIC_B6: C566.2 U455.33(IN<43>)
ANALOGIN44_ASIC_C1: C740.2 U585.33(IN<43>)
ANALOGIN44_ASIC_C2: C827.2 U650.33(IN<43>)
ANALOGIN44_ASIC_C3: C914.2 U715.33(IN<43>)
ANALOGIN44_ASIC_D1: C1088.2 U845.33(IN<43>)
ANALOGIN44_ASIC_D2: C1175.2 U910.33(IN<43>)
ANALOGIN44_ASIC_D3: C1262.2 U975.33(IN<43>)
ANALOGIN45_ASIC_A1: C45.2 U65.34(IN<44>)
ANALOGIN45_ASIC_A2: C132.2 U130.34(IN<44>)
ANALOGIN45_ASIC_A3: C219.2 U195.34(IN<44>)
ANALOGIN45_ASIC_A4: C306.2 U260.34(IN<44>)
ANALOGIN45_ASIC_B1: C393.2 U325.34(IN<44>)
ANALOGIN45_ASIC_B5: C480.2 U390.34(IN<44>)
ANALOGIN45_ASIC_B6: C567.2 U455.34(IN<44>)
ANALOGIN45_ASIC_B7: C654.2 U520.34(IN<44>)
ANALOGIN45_ASIC_C1: C741.2 U585.34(IN<44>)
ANALOGIN45_ASIC_C2: C828.2 U650.34(IN<44>)
ANALOGIN45_ASIC_C3: C915.2 U715.34(IN<44>)
ANALOGIN45_ASIC_C4: C1002.2 U780.34(IN<44>)
ANALOGIN46_ASIC_A1: C46.2 U65.35(IN<45>)
ANALOGIN46_ASIC_A2: C133.2 U130.35(IN<45>)
ANALOGIN46_ASIC_A3: C220.2 U195.35(IN<45>)
ANALOGIN46_ASIC_B1: C394.2 U325.35(IN<45>)
ANALOGIN46_ASIC_B5: C481.2 U390.35(IN<45>)
ANALOGIN46_ASIC_B6: C568.2 U455.35(IN<45>)
ANALOGIN46_ASIC_C1: C742.2 U585.35(IN<45>)
ANALOGIN46_ASIC_C2: C829.2 U650.35(IN<45>)
ANALOGIN46_ASIC_C3: C916.2 U715.35(IN<45>)
ANALOGIN47_ASIC_A1: C47.2 U65.36(IN<46>)
ANALOGIN47_ASIC_A2: C134.2 U130.36(IN<46>)
ANALOGIN47_ASIC_A3: C221.2 U195.36(IN<46>)
ANALOGIN47_ASIC_A4: C308.2 U260.36(IN<46>)
ANALOGIN47_ASIC_B1: C395.2 U325.36(IN<46>)
ANALOGIN47_ASIC_B5: C482.2 U390.36(IN<46>)
ANALOGIN47_ASIC_B6: C569.2 U455.36(IN<46>)
ANALOGIN47_ASIC_B7: C656.2 U520.36(IN<46>)
ANALOGIN47_ASIC_C1: C743.2 U585.36(IN<46>)
ANALOGIN47_ASIC_C2: C830.2 U650.36(IN<46>)